# Altium PCB K60P144.PcbDoc (part 1 of 2)
Units mil, origin at the board's own origin, x right, y up, seen from the top; angles counter-clockwise.
Board outline 1850 x 1850 mil, 2 copper layers (Top Layer, Bottom Layer); 44 components, 132 nets, 360 pads, 33 vias.
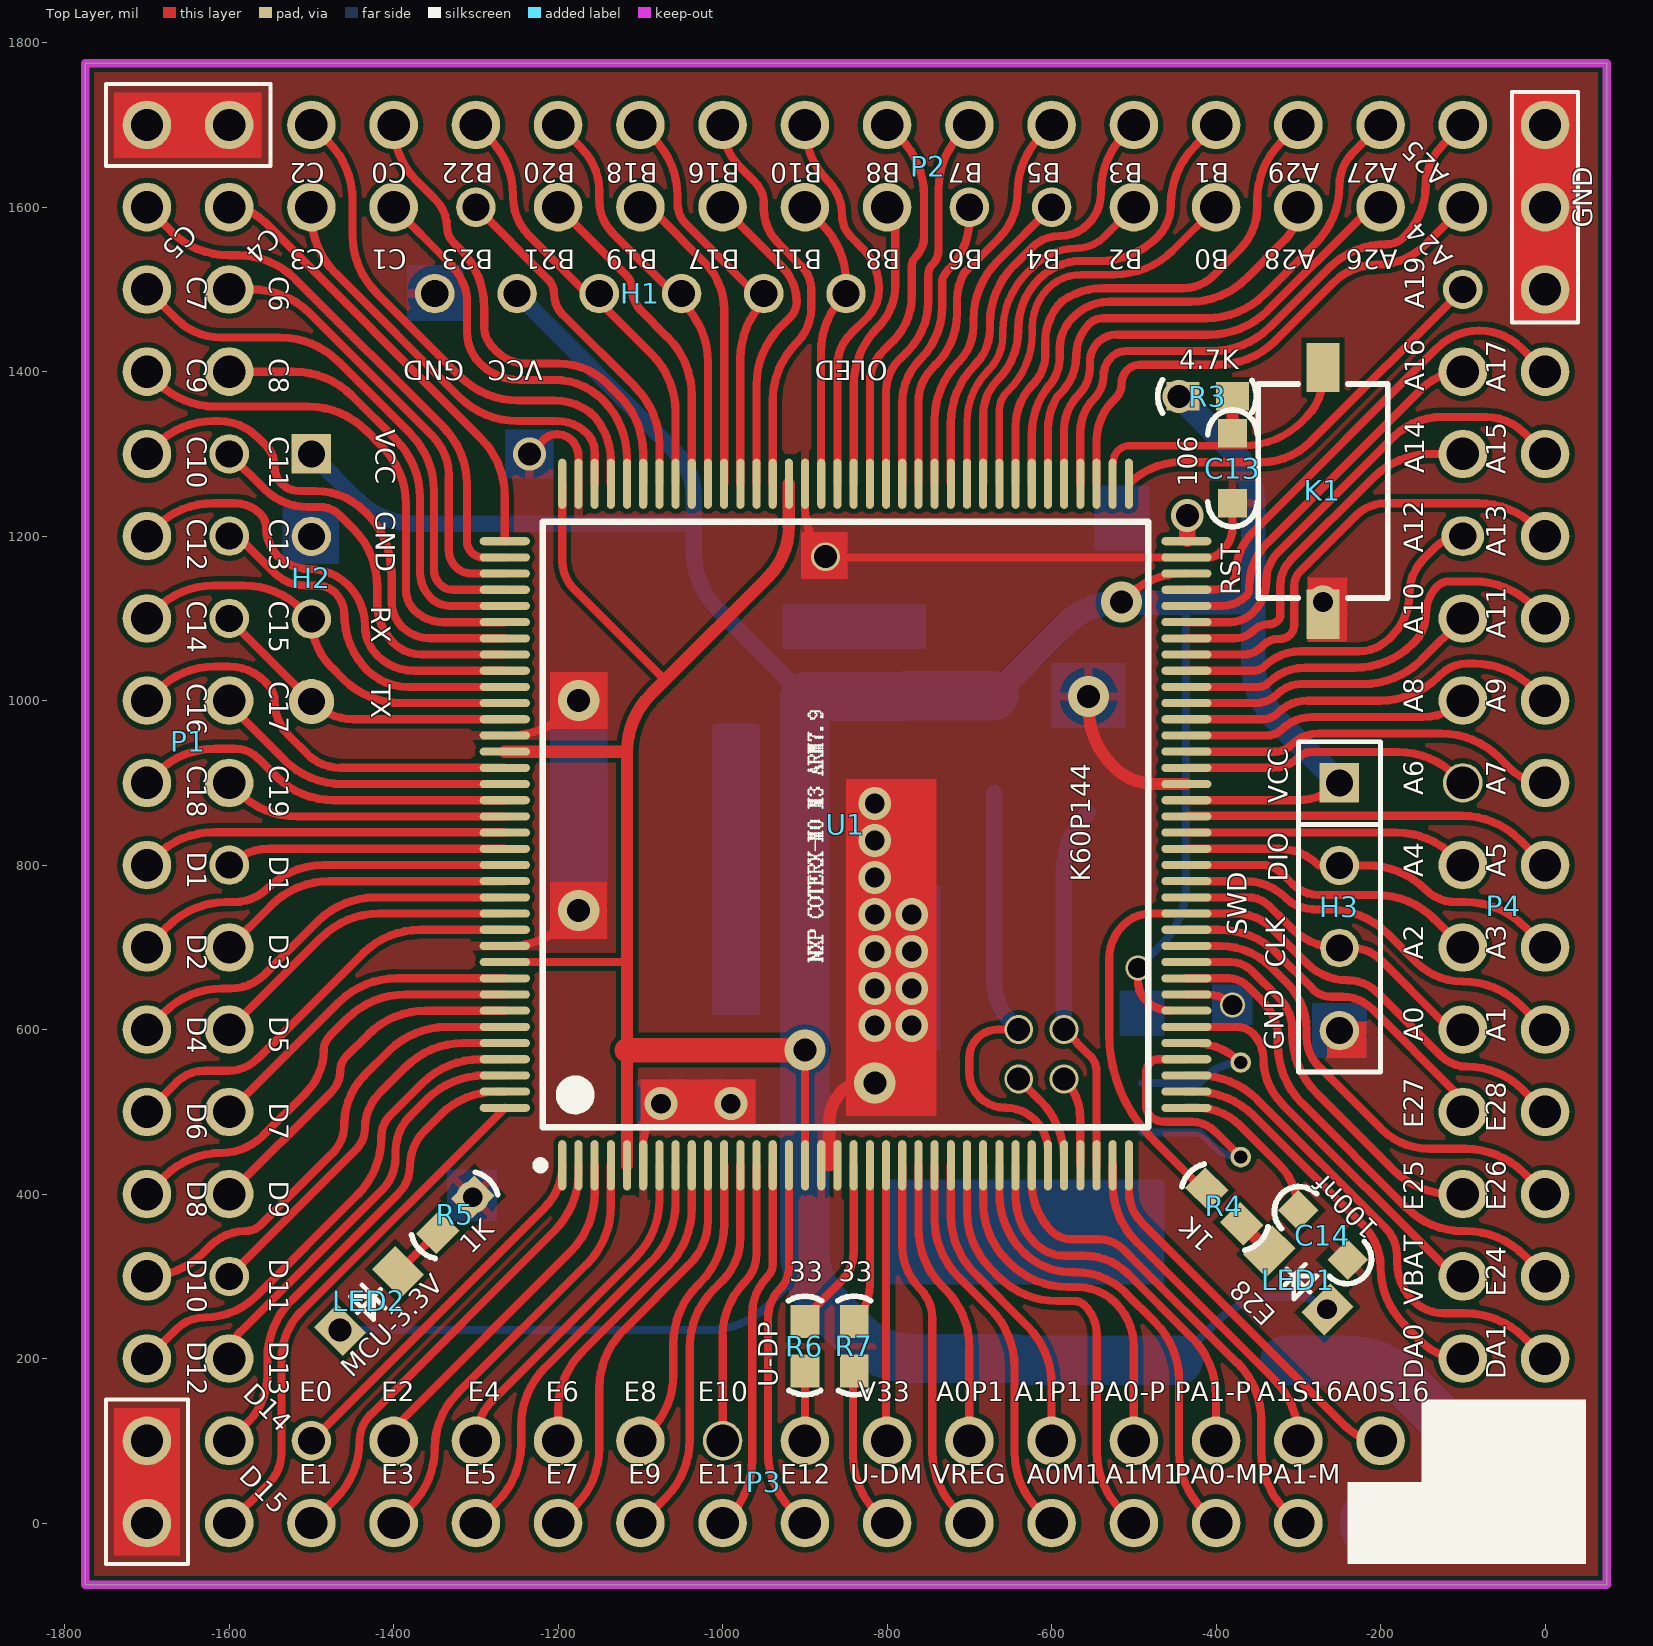
[diagram p0: Top Layer view]
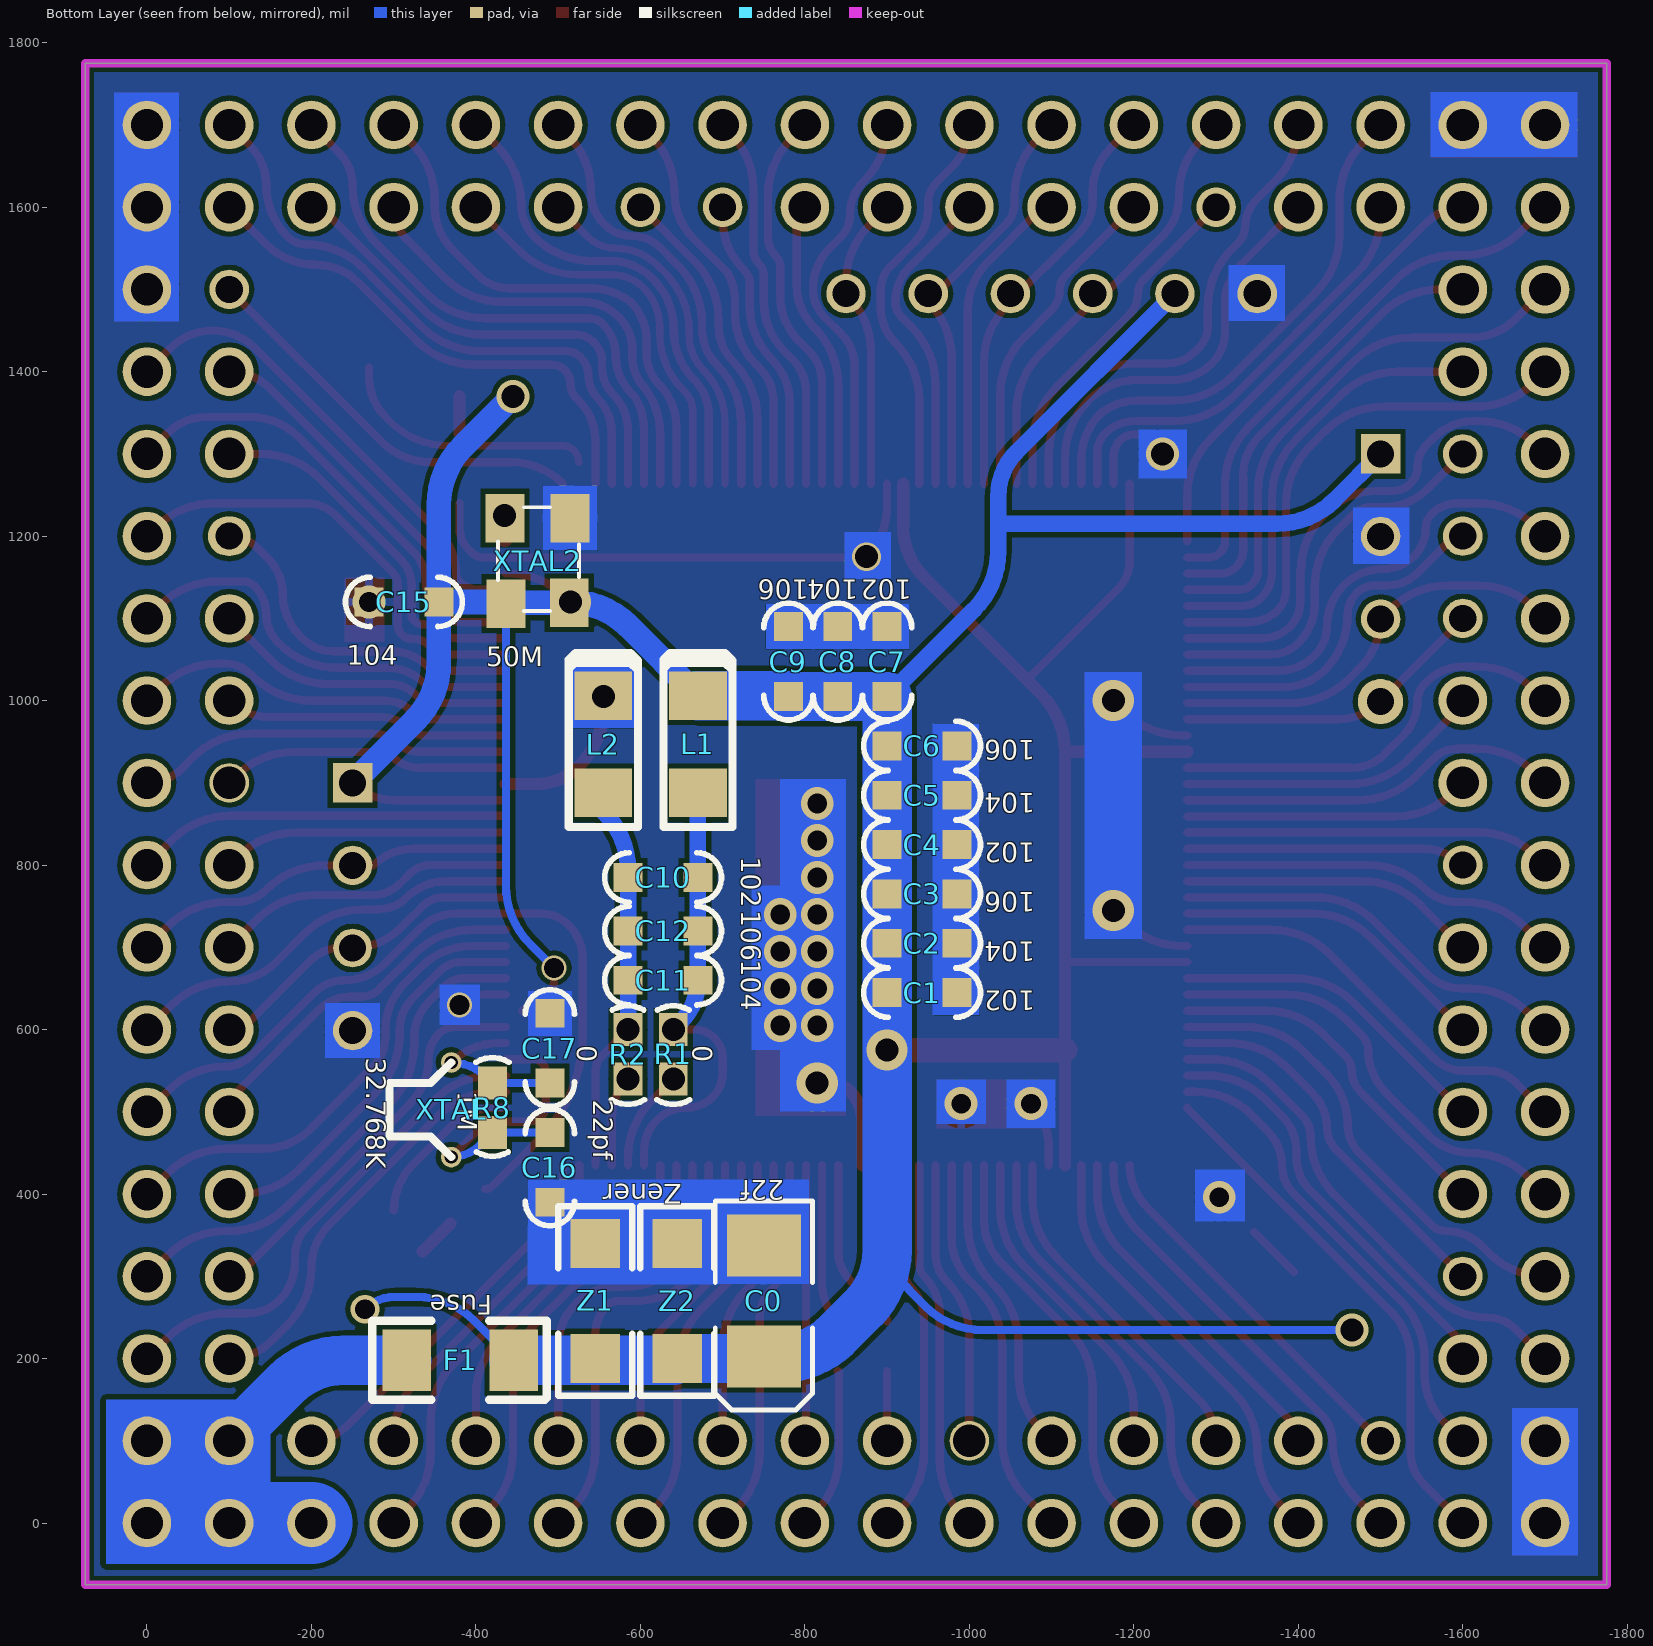
[diagram p1: Bottom Layer view, seen from below]
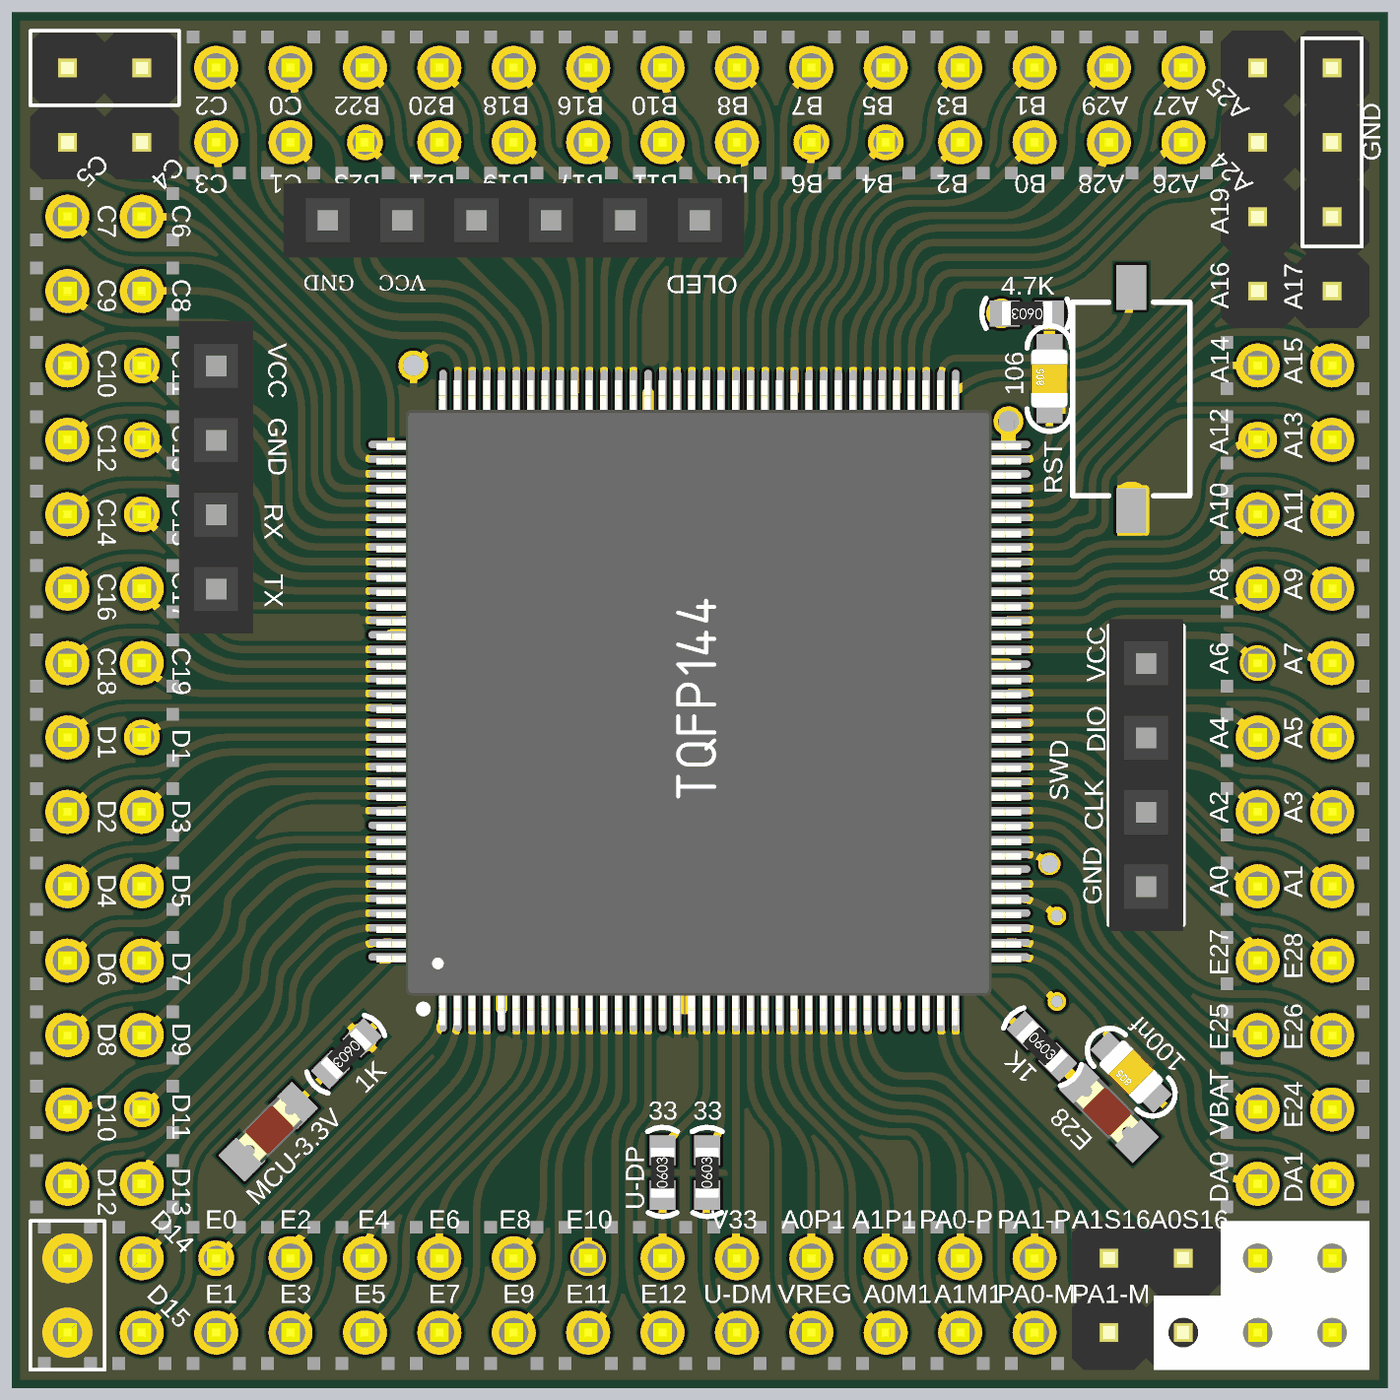
[diagram p3: 3D render of the assembled board from above, using the file's embedded part models]
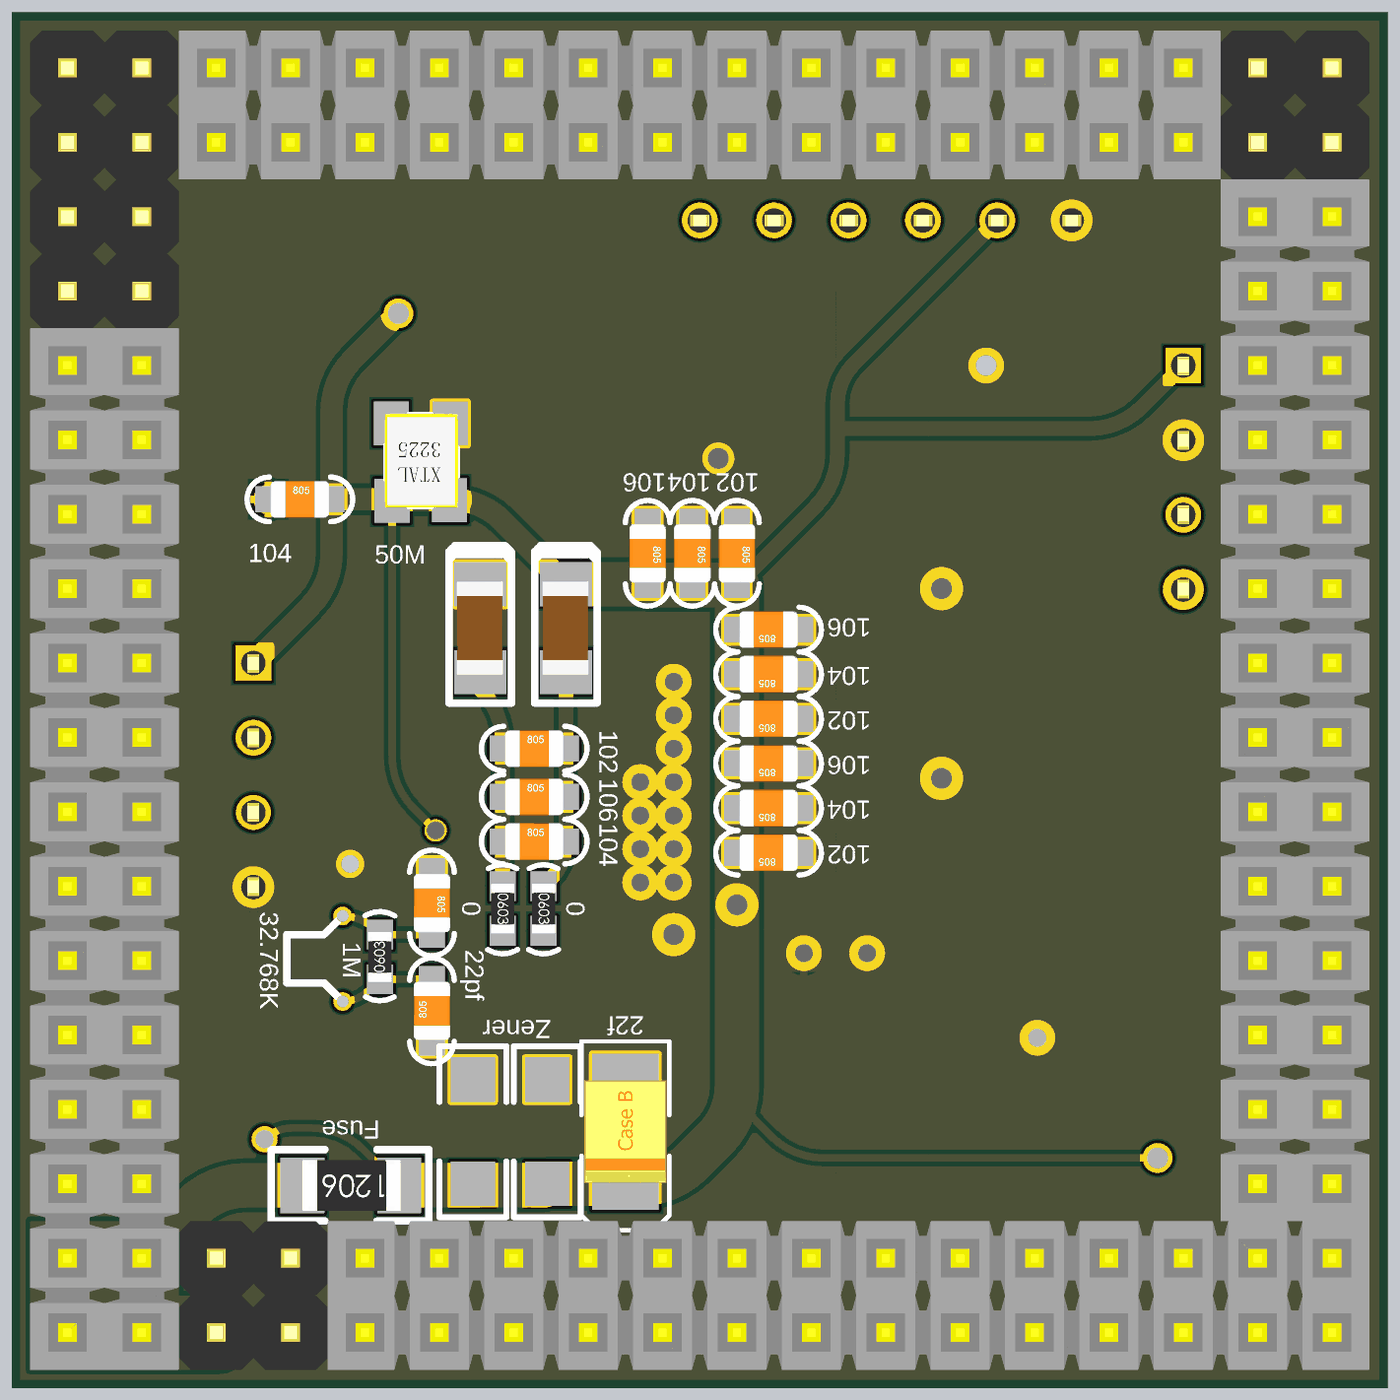
[diagram p4: 3D render of the assembled board from below, using the file's embedded part models]

## Layer stack, top to bottom
Top Solder: solder mask 0.4, Solder Resist, Dk 3.5
Top Layer: signal copper 1.4
Dielectric 1: dielectric 12.6, FR-4, Dk 4.8
Bottom Layer: signal copper 1.4
Bottom Solder: solder mask 0.4, Solder Resist, Dk 3.5

## Board outline
75,-75 -1775,-75 -1775,1775 75,1775

## Design rules (kind name [scope] priority, off if disabled: settings)
Clearance [All] p1: gap=6
ComponentClearance [All] p1: gap=0 collisioncheckmode=3 verticalgap=0 showdistances=FALSE
HoleToHoleClearance [All] p1: gap=5 allowstackedmicrovias=TRUE
MinimumSolderMaskSliver [All] p1: minsoldermaskwidth=1
PolygonConnect [All] p1: connectstyle=Relief reliefconductorwidth=10 reliefentries=4 polygonreliefangle="90 Angle" airgapwidth=10
RoutingVias [All] p1: holewidth=28 width=50 viastyle="Through Hole" minholewidth=15 minwidth=20 maxholewidth=100 maxwidth=400
SilkToSilkClearance [All] p1: silktosilkclearance=0
SilkToSolderMaskClearance [IsPad] p1: minsilkscreentomaskgap=0 clearancetoexposedcopper=TRUE
SolderMaskExpansion [All] p1: expansion=4
Width [All] p1: maxlimit=100 minlimit=6 preferedwidth=10
24 further rules are at their usual default settings.

## Components (designator, comment, footprint, x,y, rotation, side; value= is the part's Value field where it differs from the comment)
C0 "22f" 3528-B-TA -750,270 r270 bottom
C1 "102" 0805-0C -985,645 r0 bottom
C2 "104" 0805-0C -985,705 r0 bottom
C3 "106" 0805-0C -985,765 r0 bottom
C4 "102" 0805-0C -985,825 r0 bottom
C5 "104" 0805-0C -985,885 r0 bottom
C6 "106" 0805-0C -985,945 r0 bottom
C7 "102" 0805-0C -900,1090 r270 bottom
C8 "104" 0805-0C -840,1090 r270 bottom
C9 "106" 0805-0C -780,1090 r270 bottom
C10 "102" 0805-0C -585,785 r180 bottom
C11 "104" 0805-0C -585,660 r180 bottom
C12 "106" 0805-0C -585,720 r180 bottom
C13 "106" 0805-0C -380,1240 r90 top
C14 "100nf" 0805-0C -240,320 r135 top
C15 "104" 0805-0C -270,1120 r180 bottom
C16 "22pf" 0805-0C -490,390 r90 bottom
C17 "22pf" 0805-0C -490,620 r270 bottom
F1 "Fuse" 1206R -440,200 r0 bottom
H1 "OLED" S0P6 -1350,1495 r0 top
H2 "Bluetooth" S0P4#1 -1500,1300 r270 top
H3 "SWD" S0P4#2 -250,900 r270 top
K1 "RST" SW_PB2_A1 -270,1255 r90 top
L1 "?H" 1206C -670,1005 r270 bottom
L2 "?H" 1206C -555,1005 r270 bottom
LED1 "LED" 0805LED1 -300,295 r135 top
LED2 "MCU-3.3V" 0805LED1 -1430,270 r45 top
P1 "Header 16X2" 201S2X16#1 -1600,200 r90 top
P2 "Header 16X2" 201S2X16#2 -1500,1600 r0 top locked
P3 "Header 16X2" 201S2X16#3 -1700,0 r0 top locked
P4 "Header 16X2" 201S2X16#4 0,0 r90 top locked
R1 "0" 0603-r -640,570 r270 bottom
R2 "0" 0603-r -585,570 r270 bottom
R3 "4.7K" 0603-r -410,1370 r180 top
R4 "1K" 0603-r -390,385 r315 top
R5 "1K" 0603-r -1325,375 r225 top
R6 "33" 0603-r -900,215 r90 top
R7 "33" 0603-r -840,215 r90 top
R8 "1M" 0603-r -420,505 r90 bottom
U1 "K60P144" LQFP144 -1195,435 r90 top locked
XTAL "32.768K" XTAL1-KHZ-直插3 -320,510 r0 bottom
XTAL2 "50M" XTAL-3225 -475,1170 r0 bottom
Z1 "Zener" 1206 -545,270 r270 bottom
Z2 "Zener" 1206 -645,270 r270 bottom

## Footprints (in the part's own frame and the unit in brackets; to place one, negate y for a bottom-side part, rotate by r counter-clockwise, add the part's x,y. Pads: shape width x height; smd on the part's side, far side on the other; paste and mask are expansions set on the pad)
201S2X16#1 [mm]
  round 1.5 hole 1: 1(0,0) 2(0,2.54) 4(2.54,2.54) 5(5.08,0) 6(5.08,2.54) 7(7.62,0) 8(7.62,2.54) 9(10.16,0) 10(10.16,2.54) 11(12.7,0) 12(12.7,2.54) 14(15.24,2.54) 15(17.78,0) 16(17.78,2.54) 17(20.32,0) 18(20.32,2.54) 20(22.86,2.54) 22(25.4,2.54) 24(27.94,2.54) 25(30.48,0) 26(30.48,2.54) 27(33.02,0) 28(33.02,2.54) 29(35.56,0) 30(35.56,2.54) 31(38.1,0) 32(38.1,2.54)
  round 1.219 hole 0.838: 3(2.54,0) 13(15.24,0) 19(22.86,0) 21(25.4,0) 23(27.94,0)
  body extent -1.27,-1.27 39.37,3.81, height 3
201S2X16#2 [mm]
  round 1.5 hole 1: 1(0,0) 2(0,2.54) 3(2.54,0) 4(2.54,2.54) 6(5.08,2.54) 7(7.62,0) 8(7.62,2.54) 9(10.16,0) 10(10.16,2.54) 11(12.7,0) 12(12.7,2.54) 13(15.24,0) 14(15.24,2.54) 15(17.78,0) 16(17.78,2.54) 18(20.32,2.54) 20(22.86,2.54) 21(25.4,0) 22(25.4,2.54) 23(27.94,0) 24(27.94,2.54) 25(30.48,0) 26(30.48,2.54) 27(33.02,0) 28(33.02,2.54) 29(35.56,0) 30(35.56,2.54) 31(38.1,0) 32(38.1,2.54)
  round 1.219 hole 0.838: 5(5.08,0) 17(20.32,0) 19(22.86,0)
  body extent -1.27,-1.27 39.37,3.81, height 3
201S2X16#3 [mm]
  round 1.5 hole 1: 1(0,0) 2(0,2.54) 3(2.54,0) 4(2.54,2.54) 5(5.08,0) 7(7.62,0) 8(7.62,2.54) 9(10.16,0) 10(10.16,2.54) 11(12.7,0) 12(12.7,2.54) 13(15.24,0) 14(15.24,2.54) 15(17.78,0) 17(20.32,0) 18(20.32,2.54) 19(22.86,0) 20(22.86,2.54) 21(25.4,0) 22(25.4,2.54) 23(27.94,0) 24(27.94,2.54) 25(30.48,0) 26(30.48,2.54) 27(33.02,0) 28(33.02,2.54) 29(35.56,0) 30(35.56,2.54) 31(38.1,0) 32(38.1,2.54)
  round 1.219 hole 0.838: 6(5.08,2.54)
  round 1.219 hole 1: 16(17.78,2.54)
  body extent -1.27,-1.27 39.37,3.81, height 3
201S2X16#4 [mm]
  round 1.5 hole 1: 1(0,0) 2(0,2.54) 3(2.54,0) 4(2.54,2.54) 5(5.08,0) 6(5.08,2.54) 7(7.62,0) 8(7.62,2.54) 9(10.16,0) 10(10.16,2.54) 11(12.7,0) 12(12.7,2.54) 13(15.24,0) 14(15.24,2.54) 15(17.78,0) 16(17.78,2.54) 17(20.32,0) 18(20.32,2.54) 19(22.86,0) 21(25.4,0) 22(25.4,2.54) 23(27.94,0) 24(27.94,2.54) 25(30.48,0) 27(33.02,0) 28(33.02,2.54) 29(35.56,0) 30(35.56,2.54) 31(38.1,0)
  round 1.219 hole 1: 20(22.86,2.54)
  oval 1.219x1.321 hole 0.838: 26(30.48,2.54)
  round 1.219 hole 0.838: 32(38.1,2.54)
  body extent -1.27,-1.27 39.37,3.81, height 3
0603-r [mil]
  rect 40x35 smd: 1(-30,0) 2(30,0)
  silkscreen extent -59,-20 61,20, body extent -33,-16 33,16, height 22
0805-0C [mil]
  rect 35x35 smd: 1(0,0) 2(85,0)
  silkscreen extent -28,-30 113,30, body extent 3,-25 82,25, height 30
0805LED1 [mil]
  rect 40x50 smd: 1(-50,0) 2(50,0)
  silkscreen extent -20,-20 20,20, body extent -37,-24 43,25, height 43
1206 [mil] "贴片元件"
  rect 60x60 smd: 1(-70,0) 2(70,0)
  silkscreen extent -115,-45 115,45, body extent -75,-35 75,35, height 39
1206C [mil]
  rect 59.06x70 smd: 1(-1,0) 2(117.11,0)
  silkscreen extent -53,-42 159,42, body extent -5,-32 121,31, height 37
1206R [mil]
  rect 59.06x75 smd: 1(-6,2) 2(124,2)
  silkscreen extent -46,-46 166,50, body extent -8,-32 124,36, height 33
3528-B-TA [mil]
  rect 75x90 smd: 1(67.5,0) 2(-67.5,0)
  silkscreen extent -121,-59 132,59, body extent -69,-55 69,55, height 75
LQFP144 [mm]
  oval 1.55x0.25 smd: 1(0,0) 2(0,-0.5) 3(0,-1) 4(0,-1.5) 5(0,-2) 6(0,-2.5) 7(0,-3) 8(0,-3.5) 9(0,-4) 10(0,-4.5) 11(0,-5) 12(0,-5.5) 13(0,-6) 14(0,-6.5) 15(0,-7) 16(0,-7.5) 17(0,-8) 18(0,-8.5) 19(0,-9) 20(0,-9.5) 21(0,-10) 22(0,-10.5) 23(0,-11) 24(0,-11.5) 25(0,-12) 26(0,-12.5) 27(0,-13) 28(0,-13.5) 29(0,-14) 30(0,-14.5) 31(0,-15) 32(0,-15.5) 33(0,-16) 34(0,-16.5) 35(0,-17) 36(0,-17.5) 73(21.05,-17.5) 74(21.05,-17) 75(21.05,-16.5) 76(21.05,-16) 77(21.05,-15.5) 78(21.05,-15) 79(21.05,-14.5) 80(21.05,-14) 81(21.05,-13.5) 82(21.05,-13) 83(21.05,-12.5) 84(21.05,-12) 85(21.05,-11.5) 86(21.05,-11) 87(21.05,-10.5) 88(21.05,-10) 89(21.05,-9.5) 90(21.05,-9) 91(21.05,-8.5) 92(21.05,-8) 93(21.05,-7.5) 94(21.05,-7) 95(21.05,-6.5) 96(21.05,-6) 97(21.05,-5.5) 98(21.05,-5) 99(21.05,-4.5) 100(21.05,-4) 101(21.05,-3.5) 102(21.05,-3) 103(21.05,-2.5) 104(21.05,-2) 105(21.05,-1.5) 106(21.05,-1) 107(21.05,-0.5) 108(21.05,0)
  oval 0.25x1.55 smd: 37(1.775,-19.275) 38(2.275,-19.275) 39(2.775,-19.275) 40(3.275,-19.275) 41(3.775,-19.275) 42(4.275,-19.275) 43(4.775,-19.275) 44(5.275,-19.275) 45(5.775,-19.275) 46(6.275,-19.275) 47(6.775,-19.275) 48(7.275,-19.275) 49(7.775,-19.275) 50(8.275,-19.275) 51(8.775,-19.275) 52(9.275,-19.275) 53(9.775,-19.275) 54(10.275,-19.275) 55(10.775,-19.275) 56(11.275,-19.275) 57(11.775,-19.275) 58(12.275,-19.275) 59(12.775,-19.275) 60(13.275,-19.275) 61(13.775,-19.275) 62(14.275,-19.275) 63(14.775,-19.275) 64(15.275,-19.275) 65(15.775,-19.275) 66(16.275,-19.275) 67(16.775,-19.275) 68(17.275,-19.275) 69(17.775,-19.275) 70(18.275,-19.275) 71(18.775,-19.275) 72(19.275,-19.275) 109(19.275,1.775) 110(18.775,1.775) 111(18.275,1.775) 112(17.775,1.775) 113(17.275,1.775) 114(16.775,1.775) 115(16.275,1.775) 116(15.775,1.775) 117(15.275,1.775) 118(14.775,1.775) 119(14.275,1.775) 120(13.775,1.775) 121(13.275,1.775) 122(12.775,1.775) 123(12.275,1.775) 124(11.775,1.775) 125(11.275,1.775) 126(10.775,1.775) 127(10.275,1.775) 128(9.775,1.775) 129(9.275,1.775) 130(8.775,1.775) 131(8.275,1.775) 132(7.775,1.775) 133(7.275,1.775) 134(6.775,1.775) 135(6.275,1.775) 136(5.775,1.775) 137(5.275,1.775) 138(4.775,1.775) 139(4.275,1.775) 140(3.775,1.775) 141(3.275,1.775) 142(2.775,1.775) 143(2.275,1.775) 144(1.775,1.775)
  silkscreen extent -0.12,-18.1 19.87,0.8, body extent -0.55,-19.73 21.46,2.29, height 1.1
S0P4#1 [mil]
  rect 48x48 hole 33: 1(0,0)
  round 48 hole 33: 2(100.39,0) 3(200.79,0)
  round 55 hole 33: 4(301.18,0)
  body extent -59,-50 360,50, height 331
S0P4#2 [mil]
  rect 48x48 hole 33: 1(0,0)
  round 48 hole 33: 2(100.39,0) 4(301.18,0)
  round 47 hole 33: 3(200.79,0)
  silkscreen extent -50,-50 352,50, body extent -59,-50 360,50, height 331
S0P6 [mil]
  round 48 hole 33: 1(0,0) 2(100,0) 3(200,0) 4(300,0) 5(400,0) 6(500,0)
  body extent -60,-50 560,50, height 331
SW_PB2_A1 [mil]
  rect 60x40 smd: 1(-150,0) 2(150,0)
  silkscreen extent -130,-79 130,79, body extent -125,-80 125,80, height 47
XTAL1-KHZ-直插3 [mil]
  round 25 hole 16: 1(-50,65) 2(-50,-50)
  silkscreen extent -50,-50 25,65
XTAL-3225 [mil]
  rect 47.24x59.06 smd: 1(-38.5,51) 2(-39.5,-52) 3(39.5,-52) 4(38.5,52)
  silkscreen extent -50,-65 48,61, body extent -50,-65 48,61, height 31

## Part data
C0: library part CAP-TAN
C1 C2 C3 C4 C5 C6 C7 C8 C9 C10 C11 C12 C13 C14 C15 C16 C17: library part CAP
K1: library part KEY, "按键"
L1 L2: library part Inductor, "Inductor"
LED2: library part LED
R1 R2 R3 R4 R5 R6 R7 R8: library part RES
XTAL: library part XTAL-RTC
XTAL2: library part XTAL

## Via types
v1: diameter 40, hole 24, Top Layer to Bottom Layer, 15 vias
v2: diameter 50, hole 28, Top Layer to Bottom Layer, 6 vias
v3: diameter 35, hole 28, Top Layer to Bottom Layer, 5 vias
v4: diameter 40, hole 28, Top Layer to Bottom Layer, 4 vias
v5: diameter 30, hole 24, Top Layer to Bottom Layer, 2 vias
v6: diameter 35, hole 24, Top Layer to Bottom Layer, 1 vias

## Nets (pads, with @x,y where several pads share a name; then routed paths per layer and width w, separated by ;. In a path a pad name is that pad's centre, name@x,y a point inside that pad or via, vN(x,y) a via of type N, cw(c..) or ccw(c..) an arc to the next point about the centre after c; other vN are vias at no path point)
A0M1: P3.23 U1.24 | length 481
  Top Layer w10: U1.24@-742.24,435 -742.24,369.62 ccw(c-642.24,369.62) -712.96,298.91 -674.29,260.25 cw(c-745,189.54) -645,189.54 -645,86.42 ccw(c-545,86.42) -615.71,15.71 P3.23@-600,0
A0P1: P3.22 U1.23 | length 352
  Top Layer w10: U1.23@-761.93,435 -761.93,358.35 ccw(c-661.93,358.35) -732.64,287.64 -729.29,284.29 cw(c-800,213.58) -700,213.58 P3.22@-700,100
A1M1: P3.25 U1.26 | length 544.2
  Top Layer w10: U1.26@-702.87,435 -702.87,379.3 ccw(c-602.87,379.3) -673.59,308.59 -664.29,299.29 ccw(c-593.58,370) -593.58,270 -572.07,270 cw(c-572.07,252.93) -560,265 cw(c-596.21,228.79) -545,228.79 -545,86.42 ccw(c-445,86.42) -515.71,15.71 P3.25@-500,0
A1P1: P3.24 U1.25 | length 377.2
  Top Layer w10: U1.25@-722.56,435 -722.56,373.98 ccw(c-622.56,373.98) -693.27,303.27 -629.29,239.29 cw(c-700,168.58) -600,168.58 P3.24@-600,100
ADC0_SE16: P3.32 U1.36 | length 471.5
  Top Layer w10: U1.36@-506.02,435 -506.02,403.68 ccw(c-451.32,403.68) -490,365 -242.68,117.68 ccw(c-200,160.36) P3.32@-200,100
ADC1_SE16: P3.30 U1.35 | length 419.9
  Top Layer w10: U1.35@-525.71,435 -525.71,412.13 ccw(c-425.71,412.13) -496.42,341.42 -329.29,174.29 cw(c-400,103.58) -300,103.58 P3.30@-300,100
DA0: P4.6 U1.38 | length 497.3
  Top Layer w10: U1.38@-436.14,524.57 -425.08,524.57 cw(c-425.08,424.57) -354.37,495.28 -220.85,361.77 cw(c-271.2,311.42) -200,311.42 ccw(c-100,311.42) -170.71,240.71 -151.21,221.21 ccw(c-100,272.43) P4.6@-100,200
DA1: P4.5 U1.39 | length 595.1
  Top Layer w10: U1.39@-436.14,544.25 -420.72,544.25 cw(c-420.72,444.25) -350.01,514.96 -194.11,359.07 cw(c-228.18,325) -180,325 -180,317.28 ccw(c-114.14,317.28) -160.71,270.71 ccw(c-122.78,308.64) -122.78,255 -96.42,255 cw(c-96.42,155) -25.71,225.71 P4.5@0,200
EXTAL: C17.2 R8.2 U1.41 XTAL.2 | length 200.2
  Top Layer w10: U1.41@-436.14,583.62 -427.03,583.62 cw(c-427.03,502.97) XTAL.2@-370,560
  Bottom Layer w10: C17.2@-490,535 R8.2@-420,535 -412.68,542.32 cw(c-370,499.65) XTAL.2@-370,560
GND: C0.2 C1.1 C2.1 C3.1 C4.1 C5.1 C6.1 C7.1 C8.1 C9.1 C13.1 C14.1 C15.1 C16.1 C17.1 H1.1 H2.2 H3.4 K1.1 L2.1 P1.31 P1.32 P2.31 P2.32 P3.1 P3.2 P4.31 R5.1 U1.6 U1.17 U1.18 U1.44 U1.57 U1.71 U1.93 U1.107 U1.121 U1.134 XTAL2.2 Z1.1 Z2.1 | length 1431
  Top Layer w10: U1.134@-1264.88,701.73 -1259.69,701.73 ccw(c-1259.69,801.73) -1188.98,731.02 v2(-1175,745) ; U1.121@-1264.88,957.64 -1258.78,957.64 ccw(c-1258.78,1057.64) -1201.52,975.66 -1178.72,998.46 cw(c-1175,994.74) v2(-1175,1000) ; v4(-1235,1300) -1217.83,1317.18 cw(c-1201.35,1300.7) -1201.35,1324 cw(c-1201.35,1298.65) -1183.43,1316.58 cw(c-1203,1297) -1175.32,1297 U1.107@-1175.32,1263.74 ; U1.6@-1096.58,435 -1096.58,457.91 cw(c-1022.91,457.91) v1(-1075,510) ; U1.93@-899.72,1263.74 -899.72,1234.69 ccw(c-815.31,1234.69) v3(-875,1175) ccw(c-873,1177) -873,1174.17 U1.71@-436.14,1174.17 -409.07,1174.17 ccw(c-409.07,1194.07) -395,1180 -390.43,1184.57 ccw(c-415.61,1209.75) -380,1209.75 C13.1@-380,1240 ; U1.44@-436.14,642.68 -410.61,642.68 cw(c-410.61,599.39) v5(-380,630)
  Top Layer w15: -870.2,435 -870.2,488.31 cw(c-818.31,488.31) -855,525 cw(c-830.86,500.86) -830.86,535 v2(-815,535) ; v2(-555,1005) -555,991.42 ccw(c-455,991.42) -525.71,920.71 -525,920 ccw(c-473.29,971.71) -473.29,898.58 U1.57@-436.14,898.58
  other v1: -1303.79,396.21 -990,510 -815,605 -770,605 -815,650 -770,650 -815,695 -770,695 -815,740 -770,740 -815,785 -815,830 -815,875 -270,1120
MCU-3V3: C0.1 C1.2 C2.2 C3.2 C4.2 C5.2 C6.2 C7.2 C8.2 C9.2 C15.2 F1.1 H1.2 H2.1 H3.1 L1.1 LED1.1 LED2.1 R3.2 U1.5 U1.16 U1.43 U1.56 U1.70 U1.94 U1.108 U1.122 U1.135 XTAL2.1 XTAL2.4 Z1.2 Z2.2 | length 6961.2
  Top Layer w10: U1.135@-1264.88,682.05 -1116.26,682.05 ; U1.108@-1195,1263.74 -1195,1170 ccw(c-1146.72,1170) -1180.86,1135.86 -1070,1025 ; U1.16@-899.72,435 v2@-899.72,564.72 ; v2(-515,1120) -509.8,1125.2 cw(c-439.09,1054.49) -439.09,1154.49 U1.70@-436.14,1154.49 ; v5(-495,675) -495,659.14 ccw(c-460.86,659.14) -485,635 ccw(c-456.01,663.99) U1.43@-456.01,622.99 ; U1.56@-436.14,878.9 -300.95,878.9 ccw(c-300.95,950.95) H3.1@-250,900
  Top Layer w15: U1.122@-1264.88,937.95 -1116.26,937.95 ; U1.5@-1116.26,435 -1116.26,575 -1116.26,682.05 -1116.26,937.32 cw(c-1016.26,937.32) -1086.97,1008.03 -1070,1025 -945,1150 ccw(c-1006.78,1211.78) -919.41,1211.78 U1.94@-919.41,1263.74
  Top Layer w30: -1116.26,575 v2(-900,575)
  Bottom Layer w10: v4(-1465.36,234.65) -1016.78,234.65 ccw(c-1016.78,334.65) -946.07,263.93 -929.29,280.71 ccw(c-1000,351.42) -901.69,333.11 ccw(c-1000,351.42) -900,351.42 ; v5(-495,675) -465.79,704.21 ccw(c-536.5,774.92) -436.5,774.92 XTAL2.4@-436.5,1118 ; F1.1@-446,198 -398.29,245.71 cw(c-327.58,175) -327.58,275 -301.21,275 cw(c-301.21,223.79) v6(-265,260) ; XTAL2.4@-436.5,1118 cw(c-431.67,1113.17) XTAL2.4@-431.67,1120
  Bottom Layer w20: H2.1@-1500,1300 -1444.29,1244.29 ccw(c-1373.58,1315) -1373.58,1215 -1035,1215 ; H1.2@-1250,1495 -1057.5,1302.5 cw(c-1111.82,1248.18) -1035,1248.18 -1035,1215 ; C7.2@-900,1005 -1005.71,1110.71 cw(c-935,1181.42) -1035,1181.42 -1035,1215 ; Z2.2@-645,200 ccw(c-640.17,204.83) Z2.2@-640.17,198
  Bottom Layer w30: C9.2@-780,1005 cw(c-777.59,1002.59) C9.2@-777.59,1006 ; L1.1@-670,1006 -584.99,1091.01 cw(c-515,1021.02) XTAL2.1@-529.03,1119 ; v2(-515,1120) ccw(c-515,1021.02) XTAL2.1@-529.03,1119 ; v4(-445,1370) -384.29,1309.29 cw(c-455,1238.58) -355,1238.58 C15.2@-355,1120 ; XTAL2.4@-436.5,1118 -437.48,1119 XTAL2.1@-513.5,1119 XTAL2.1@-529.03,1119 ; XTAL2.4@-431.67,1120 C15.2@-355,1120 ; H3.1@-250,900 -325.71,975.71 cw(c-255,1046.42) -355,1046.42 C15.2@-355,1120
  Bottom Layer w60: C9.2@-780,1005 C8.2@-840,1005 C7.2@-900,1005 C6.2@-900,945 C5.2@-900,885 C4.2@-900,825 C3.2@-900,765 C2.2@-900,705 C1.2@-900,645 v2(-900,575) -900,351.42 -900,331.42 ccw(c-800,331.42) -870.71,260.71 -839.28,229.28 ccw(c-768.57,299.99) -768.57,199.99 Z2.2@-645,200 ; C9.2@-777.59,1006 L1.1@-670,1006 ; Z2.2@-640.17,198 F1.1@-446,198
NetC14_2: C14.2 U1.37 | length 200.3
  Top Layer w10: U1.37@-436.14,504.88 -422.31,504.88 cw(c-422.31,432.69) -371.26,483.74 -323.07,435.54 cw(c-378.5,380.1) C14.2@-300.1,380.1
NetLED1_2: LED1.2 R4.2 | length 47.3
  Top Layer w15: R4.2@-368.79,363.79 LED1.2@-335.36,330.36
NetLED2_2: LED2.2 R5.2 | length 68.5
  Top Layer w10: LED2.2@-1394.65,305.36 R5.2@-1346.21,353.79
NetR6_2: R6.2 U1.19 | length 212
  Top Layer w10: R6.2@-900,245 cw(c-887.93,245) -896.46,253.54 -855,295 ccw(c-889.6,329.6) -840.67,329.6 U1.19@-840.67,435
NetR7_2: R7.2 U1.20 | length 195.1
  Top Layer w10: R7.2@-840,245 ccw(c-885.91,290.91) -820.98,290.91 U1.20@-820.98,435
OSC: U1.72 XTAL2.3 | length 31.4
  Top Layer w10: v4@-436.14,1222.24 cw(c-432.24,1222.24) v4(-435,1225)
  Top Layer w20: U1.72@-435,1196.62 v4(-435,1225)
PGA0_DM: P3.27 U1.28 | length 567.9
  Top Layer w10: U1.28@-663.5,435 -663.5,399.93 ccw(c-563.5,399.93) -634.22,329.22 ccw(c-575.76,387.67) -575.76,305 -570.36,305 cw(c-570.36,219.65) -510,280 -474.29,244.29 cw(c-545,173.58) -445,173.58 -445,86.42 ccw(c-345,86.42) -415.71,15.71 P3.27@-400,0
PGA0_DP: P3.26 U1.27 | length 443.3
  Top Layer w10: U1.27@-683.19,435 -683.19,389.61 ccw(c-583.19,389.61) -653.9,318.9 -651.43,316.43 ccw(c-580.72,387.14) -580.72,287.14 -569.08,287.14 cw(c-569.08,220.92) -522.26,267.74 cw(c-575.99,214.01) -500,214.01 P3.26@-500,100
PGA1_DM: P3.29 U1.30 | length 592.5
  Top Layer w10: U1.30@-624.13,435 -624.13,413.26 ccw(c-541.74,413.26) -600,355 ccw(c-575.86,379.14) -575.86,345 -542.41,345 cw(c-542.41,302.59) -512.42,332.58 -503.79,323.95 -503.79,323.79 -375.93,195.93 ccw(c-374.29,197.56) -374.29,195.25 cw(c-445,124.54) -345,124.54 -345,86.42 ccw(c-245,86.42) -315.71,15.71 P3.29@-300,0
PGA1_DP: P3.28 U1.29 | length 467.3
  Top Layer w10: U1.29@-643.82,435 -643.82,397.5 ccw(c-562.5,397.5) -620,340 ccw(c-583.79,376.21) -583.79,325 -560,325 cw(c-560,250.26) -507.15,303.11 -429.29,225.25 cw(c-500,154.54) -400,154.54 P3.28@-400,100
PTA0: H3.3 P4.14 U1.50 | length 394
  Top Layer w10: U1.50@-436.14,760.79 -361.04,760.79 cw(c-361.04,723.96) -335,750 -315,730 -308.4,723.4 ccw(c-250,781.81) H3.3@-250,699.21 -234.31,699.21 cw(c-234.31,650.69) -200.01,685.01 ; -200,685 -125.61,610.61 ccw(c-100,636.21) P4.14@-100,600
PTA1: P4.13 U1.51 | length 493.6
  Top Layer w10: U1.51@-436.14,780.47 -364.43,780.47 cw(c-364.43,710.58) -315,760 ccw(c-282.66,792.34) -282.66,746.61 ; -282.66,746.07 -262.49,746.07 cw(c-262.49,646.07) -191.78,716.78 -157.22,682.22 ccw(c-99.89,739.54) -100,658.47 ccw(c-99.89,739.54) -99.89,658.47 cw(c-99.89,558.47) -29.18,629.18 P4.13@0,600
PTA2: P4.16 U1.52 | length 369.9
  Top Layer w10: U1.52@-436.14,800.16 -344.52,800.16 cw(c-344.52,765.48) -320,790 -306.76,776.76 ccw(c-275,808.53) -275,763.61 -205.03,763.61 cw(c-205.03,663.61) -134.32,734.32 P4.16@-100,700
PTA3: H3.2 P4.15 U1.53 | length 472
  Top Layer w10: U1.53@-436.14,819.84 -323.86,819.84 cw(c-323.86,750.75) -275,799.61 -216.03,799.61 cw(c-216.03,699.61) -145.32,770.32 ccw(c-108.34,807.29) -108.34,755 -96.42,755 cw(c-96.42,655) -25.71,725.71 P4.15@0,700
PTA4: P4.18 U1.54 | length 348.2
  Top Layer w10: U1.54@-436.14,839.53 -180.95,839.53 cw(c-180.95,739.53) -110.24,810.24 P4.18@-100,800
PTA5: P4.17 U1.55 | length 456.9
  Top Layer w10: U1.55@-436.14,859.21 cw(c-434.24,857.31) -434.24,860 -101.42,860 cw(c-101.42,760) -30.71,830.71 P4.17@0,800
PTA6: P4.20 U1.58 | length 352.5
  Top Layer w10: U1.58@-436.14,918.27 -331.55,918.27 ccw(c-331.55,966.12) -297.72,932.28 cw(c-285,919.57) -285,937.55 -178.97,937.55 cw(c-178.97,837.55) -108.26,908.26 P4.20@-100,900
PTA7: P4.19 U1.59 | length 460
  Top Layer w10: U1.59@-436.14,937.95 -328.23,937.95 ccw(c-328.23,965.84) -308.51,946.12 cw(c-275,912.61) -275,960 -126.42,960 cw(c-126.42,860) -55.71,930.71 -42.68,917.68 ccw(c0,960.36) P4.19@0,900
PTA8: P4.22 U1.60 | length 347.5
  Top Layer w10: U1.60@-436.14,957.64 -337.77,957.64 ccw(c-337.77,982.77) -320,965 cw(c-283.79,928.79) -283.79,980 -148.28,980 ccw(c-148.28,1048.28) P4.22@-100,1000
PTA9: P4.21 U1.61 | length 468.9
  Top Layer w10: U1.61@-436.14,977.32 -343.53,977.32 ccw(c-343.53,1003.53) -325,985 cw(c-288.79,948.79) -288.79,1000 -200.15,1000 ccw(c-200.15,1100) -129.44,1029.29 -126.97,1031.76 cw(c-95,999.79) -95,1045 -86.42,1045 cw(c-86.42,945) -15.71,1015.71 P4.21@0,1000
PTA10: P4.24 U1.62 | length 371.1
  Top Layer w10: U1.62@-436.14,997.01 -352.43,997.01 ccw(c-352.43,1035.8) -325,1008.37 cw(c-296.66,980.03) -296.66,1020.11 -221.31,1020.11 ccw(c-221.31,1120.11) -150.6,1049.4 P4.24@-100,1100
PTA11: P4.23 U1.63 | length 514.3
  Top Layer w10: U1.63@-436.14,1016.69 -348.29,1016.69 ccw(c-348.29,1033.29) -336.56,1021.56 cw(c-292.02,977.02) -292.02,1040 -231.42,1040 ccw(c-231.42,1140) -160.71,1069.29 -159.14,1070.86 ccw(c-193.28,1105) -145,1105 cw(c-96.72,1105) -130.86,1139.14 cw(c-116.72,1125) -116.72,1145 -86.42,1145 cw(c-86.42,1045) -15.71,1115.71 P4.23@0,1100
PTA12: P4.26 U1.64 | length 422.7
  Top Layer w10: U1.64@-436.14,1036.38 -354.08,1036.38 ccw(c-354.08,1054.08) -341.56,1041.56 cw(c-297.05,997.05) -297.05,1060 -226.21,1060 ccw(c-226.21,1111.21) -190.01,1074.99 -186.21,1078.79 ccw(c-237.43,1130) -165,1130 cw(c-104.65,1130) -147.32,1172.68 -134.14,1185.86 cw(c-100,1151.72) P4.26@-100,1200
PTA13: P4.25 U1.65 | length 555.6
  Top Layer w10: U1.65@-436.14,1056.06 -366.58,1056.06 ccw(c-366.58,1086.58) -345,1065 -342.17,1067.83 cw(c-325,1050.66) -325,1074.94 -322.21,1074.94 ccw(c-322.21,1092.21) -310,1080 ccw(c-322.07,1092.07) -305,1092.07 -305,1140 cw(c-280.86,1140) -297.93,1157.07 -230.15,1224.85 cw(c-193.58,1188.28) -193.58,1240 -81.42,1240 cw(c-81.42,1140) -10.71,1210.71 P4.25@0,1200
PTA14: P4.28 U1.66 | length 453.3
  Top Layer w10: U1.66@-436.14,1075.75 -377.34,1075.75 ccw(c-377.34,1107.34) -355,1085 cw(c-336.29,1066.29) -336.29,1092.75 ccw(c-336.29,1109.74) -324.27,1097.73 ccw(c-329.76,1103.21) -322,1103.21 -322,1140 cw(c-278.54,1140) -309.27,1170.73 -209.29,1270.71 cw(c-138.58,1200) -138.58,1300 P4.28@-100,1300
PTA15: P4.27 U1.67 | length 590
  Top Layer w10: U1.67@-436.14,1095.43 -383.48,1095.43 ccw(c-383.48,1135.71) -355,1107.23 ccw(c-393.63,1145.86) -339,1145.86 cw(c-290.37,1145.86) -324.76,1180.24 -315,1190 -192.22,1312.78 -184.75,1320.25 cw(c-125,1260.5) -125,1345 -72.07,1345 cw(c-72.07,1279.65) -25.86,1325.86 P4.27@0,1300 P4.27@-13.71,1286.29
PTA16: P4.30 U1.68 | length 468.2
  Top Layer w10: U1.68@-436.14,1115.12 -393.57,1115.12 ccw(c-393.57,1158.57) -362.85,1127.85 ccw(c-369.71,1134.71) -360,1134.71 -360,1137 cw(c-281.52,1137) -337.01,1192.5 -150.38,1379.13 cw(c-100,1328.75) P4.30@-100,1400
PTA17: P4.29 U1.69 | length 596.5
  Top Layer w10: U1.69@-436.14,1134.8 -404.62,1134.8 ccw(c-404.62,1169.62) -380,1145 ccw(c-390.29,1155.29) -375.74,1155.29 cw(c-305.8,1155.29) -355.25,1204.75 -131.21,1428.79 cw(c-80,1377.57) -80,1450 cw(c-80,1377.57) -28.79,1428.79 P4.29@0,1400
PTA19: P4.32 U1.73 | length 496.4
  Top Layer w10: U1.73@-506.02,1263.74 cw(c-442.63,1200.34) -442.63,1290 -345.36,1290 ccw(c-345.36,1375.36) -285.04,1314.96 ccw(c-345.36,1375.36) -285,1315 P4.32@-100,1500
PTA24: P2.29 U1.75 | length 626.6
  Top Layer w10: U1.75@-545.39,1263.74 -545.39,1315.77 cw(c-475.77,1315.77) -525,1365 -522.07,1367.93 ccw(c-539.14,1385) -515,1385 cw(c-490.86,1385) -507.93,1402.07 cw(c-492.56,1386.7) -492.56,1408.44 -398.51,1408.44 ccw(c-398.51,1508.44) -327.8,1437.73 -257.12,1508.41 cw(c-205,1456.29) -205,1530 ccw(c-205,1614.5) -145.25,1554.75 P2.29@-100,1600
PTA25: P2.30 U1.76 | length 728.6
  Top Layer w10: U1.76@-565.08,1263.74 -565.08,1326.4 cw(c-506.4,1326.4) -547.89,1367.89 ccw(c-574.23,1394.23) -536.98,1394.23 cw(c-503.7,1394.23) -527.23,1417.77 cw(c-509.77,1400.31) -509.77,1425 -405.37,1425 ccw(c-405.37,1525) -334.66,1454.29 -263.24,1525.71 cw(c-192.53,1455) -192.53,1555 ccw(c-192.53,1585.25) -171.14,1563.86 ccw(c-234.25,1626.97) -145,1626.97 cw(c-77.32,1626.97) -125.18,1674.82 P2.30@-100,1700
PTA26: P2.27 U1.77 | length 585.7
  Top Layer w10: U1.77@-584.76,1263.74 -584.76,1329.41 cw(c-524.41,1329.41) -567.09,1372.09 ; -567.06,1372.11 ccw(c-600.38,1405.38) -553.3,1405.38 -553.3,1414.97 cw(c-520.41,1412.22) -522.11,1445.18 ; -520,1445 -408,1445 ccw(c-408,1545) -337.29,1474.29 -219.77,1591.81 cw(c-200,1572.05) P2.27@-200,1600
PTA27: P2.28 U1.78 | length 687.9
  Top Layer w10: U1.78@-604.45,1263.74 -604.45,1330.04 cw(c-530.04,1330.04) -592.83,1369.97 -589.24,1373.56 ccw(c-635.67,1420) -570,1420 cw(c-515.92,1420) -554.16,1458.24 cw(c-537.84,1441.92) -537.84,1465 -411.42,1465 ccw(c-411.42,1565) -340.71,1494.29 -279.29,1555.71 ccw(c-350,1626.42) -250,1626.42 cw(c-193.08,1626.42) -233.33,1666.67 P2.28@-200,1700
PTA28: P2.25 U1.79 | length 548.8
  Top Layer w10: U1.79@-624.13,1263.74 -624.13,1323.4 cw(c-528.4,1323.4) -606.36,1378.97 ccw(c-645.85,1418.46) -590,1418.46 -590,1428.79 cw(c-538.79,1428.79) -575.01,1464.99 -572.68,1467.32 cw(c-530,1424.65) -530,1485 -431.59,1485 ccw(c-431.59,1581.59) -363.29,1513.29 -316.56,1560.02 ccw(c-356.54,1600) P2.25@-300,1600
PTA29: P2.26 U1.80 | length 647.2
  Top Layer w10: U1.80@-643.82,1263.74 -643.82,1333.32 cw(c-570.73,1333.32) -622.41,1385 ccw(c-657.79,1420.38) -607.76,1420.38 -607.76,1436.26 cw(c-537.48,1436.26) -587.17,1485.96 cw(c-537.78,1415.29) -537.78,1501.51 -439.92,1501.51 ccw(c-439.92,1553.22) -403.35,1516.65 -371.21,1548.79 ccw(c-422.43,1600) -350,1600 -350,1608.58 cw(c-250,1608.58) -320.71,1679.29 P2.26@-300,1700
PTB0: P2.23 U1.81 | length 492.1
  Top Layer w9: U1.81@-663.5,1263.74 -663.5,1353.25 cw(c-632.74,1353.25) -654.49,1375 -652.59,1376.9 ccw(c-723.3,1447.61) -623.3,1447.61 -623.3,1455.21 cw(c-557.93,1455.21) -604.16,1501.44 cw(c-564.16,1461.44) -564.16,1518 -523.42,1518 ccw(c-523.42,1618) -452.71,1547.29 P2.23@-400,1600
PTB1: P2.24 U1.82 | length 584
  Top Layer w10: U1.82@-683.19,1263.74 -683.19,1347.43 cw(c-622.98,1347.43) -665.56,1390 ccw(c-725.91,1450.36) -640.56,1450.36 -640.56,1451.95 cw(c-554.67,1451.95) -615.4,1512.68 cw(c-561.52,1458.8) -570.24,1534.5 -541.92,1534.5 ccw(c-541.92,1634.5) -471.21,1563.79 ccw(c-510.35,1602.93) -455,1602.93 -455,1603.58 cw(c-355,1603.58) -425.71,1674.29 P2.24@-400,1700
PTB2: P2.21 U1.83 | length 433.7
  Top Layer w9: U1.83@-702.87,1263.74 -702.87,1338.78 cw(c-613.78,1338.78) -676.78,1401.78 ccw(c-719.23,1444.23) -659.2,1444.23 -659.2,1449.51 cw(c-559.51,1449.51) -630,1520 -621.21,1528.79 cw(c-570,1477.57) -570,1550 ccw(c-570,1598.28) -535.86,1564.14 P2.21@-500,1600
PTB3: P2.22 U1.84 | length 514.7
  Top Layer w10: U1.84@-722.56,1263.74 -722.56,1337.45 cw(c-622.56,1337.45) -693.27,1408.16 ccw(c-737.38,1452.27) -675,1452.27 -675,1458.58 cw(c-575,1458.58) -645.71,1529.29 -624.14,1550.86 cw(c-590,1516.72) -590,1565 ccw(c-590,1613.28) -555.86,1579.14 ccw(c-594.14,1617.43) -540,1617.43 -540,1618.58 cw(c-440,1618.58) P2.22@-510.71,1689.29
PTB4: P2.19 U1.85 | length 383.9
  Top Layer w10: U1.85@-742.24,1263.74 -742.24,1341.33 cw(c-642.24,1341.33) -712.96,1412.05 ccw(c-756.3,1455.39) -695,1455.39 -695,1463.58 cw(c-595,1463.58) -665.71,1534.29 P2.19@-600,1600
PTB5: P2.20 U1.86 | length 470.1
  Top Layer w10: U1.86@-761.93,1263.74 -761.93,1363.05 cw(c-703.05,1363.05) -744.68,1404.68 -740.31,1409.06 ccw(c-801.25,1470) -715.07,1470 -715.07,1487.27 cw(c-649.62,1487.27) -706.09,1520.34 -664.2,1562.24 ccw(c-719.07,1617.11) -641.47,1617.11 cw(c-541.47,1617.11) P2.20@-612.18,1687.82
PTB6: P2.17 U1.87 | length 358.3
  Top Layer w10: U1.87@-781.61,1263.74 -781.61,1362.09 cw(c-706.73,1362.09) -759.68,1415.04 ; -759.65,1415.07 ccw(c-824.1,1479.45) -733,1479.45 -733,1511.56 cw(c-701.54,1501.54) -724.89,1524.89 ccw(c-784.97,1584.97) -700,1584.97 P2.17@-700,1600
PTB7: P2.18 U1.88 | length 483.3
  Top Layer w10: U1.88@-801.3,1263.74 -801.3,1375.65 cw(c-745.65,1375.65) -785,1415 -774.75,1425.25 ccw(c-834.5,1485) -750,1485 -750,1517.93 cw(c-732.93,1517.93) -745,1530 ccw(c-763.27,1548.27) -737.43,1548.27 -737.43,1621.15 cw(c-637.43,1621.15) -708.15,1691.86 P2.18@-700,1700 P2.18@-687.76,1687.76
PTB8: P2.16 U1.89 | length 470
  Top Layer w10: U1.89@-820.98,1263.74 -820.98,1386.41 cw(c-766.41,1386.41) -805,1425 -792.68,1437.32 ccw(c-847.43,1492.07) -770,1492.07 -770,1527.93 cw(c-752.93,1527.93) -765,1540 ccw(c-789.14,1564.14) -755,1564.14 -755,1613.58 ccw(c-855,1613.58) -784.29,1684.29 P2.16@-800,1700
PTB9: P2.15 U1.90 | length 365.9
  Top Layer w10: U1.90@-840.67,1263.74 -840.67,1382.91 cw(c-740.67,1382.91) -811.38,1453.62 ccw(c-863,1505.24) -790,1505.24 -790,1575.86 ccw(c-824.14,1575.86) P2.15@-800,1600 cw(c-812.07,1587.93) P2.15@-795,1587.93
PTB10: P2.14 U1.91 | length 478.8
  Top Layer w10: P2.14@-900,1700 ccw(c-803.43,1700) -871.72,1631.72 cw(c-912.07,1591.36) -855,1591.36 ccw(c-815.5,1591.36) -843.43,1563.43 -830,1550 cw(c-878.28,1501.72) -810,1501.72 -810,1500 cw(c-858.28,1500) -824.14,1465.86 -845,1445 ccw(c-807.93,1407.93) -860.35,1407.93 U1.91@-860.35,1263.74
PTB11: H1.6 P2.13 U1.92 | length 353.9
  Top Layer w10: P2.13@-899.96,1599.96 -879.29,1579.29 cw(c-950,1508.58) -850,1508.58 H1.6@-850,1495 ; U1.92@-880.55,1263.74 -880.55,1423.03 cw(c-780.55,1423.03) H1.6@-854.9,1489.9